# KiCad board yddraig030.kicad_pcb (continued)
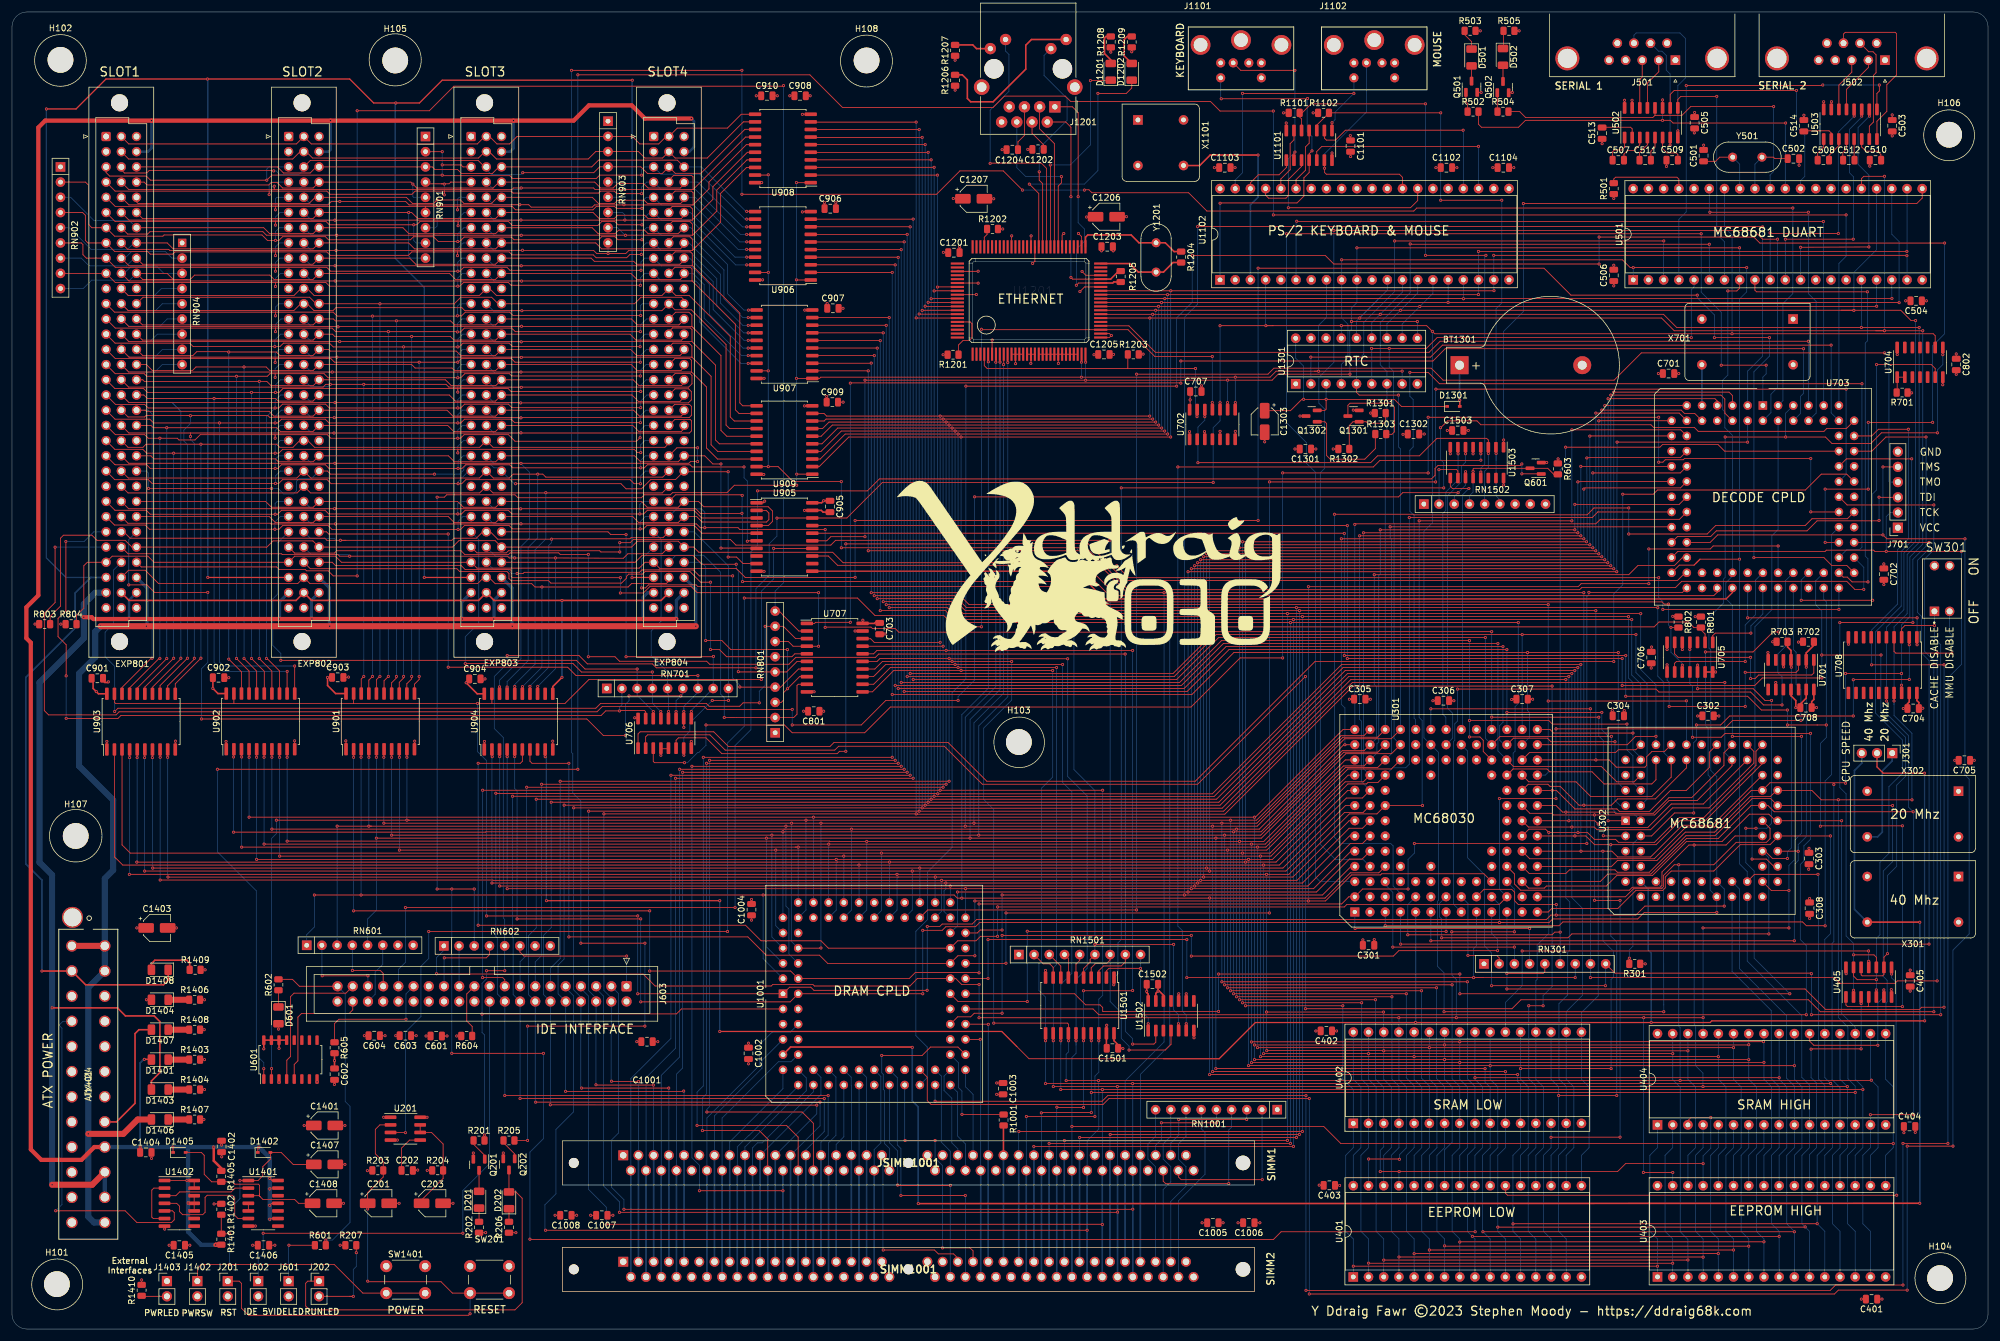
[diagram p0: board, top side]
## Routing (per net, layer and track width the routed paths; a pad name or vN(x,y) marks a point on that pad's centre or on a via; arc(x,y) is an arc through that point) (continued)
Net-(C1408-Pad1): length 30
  Top w0.127: 41.28,22.27 41.45,22.1 ; 41.28,22.27 41.35,22.34 41.35,22.55 ; 41.28,22.27 U1401.3 ; 41.45,22.1 41.35,22.2 41.35,22.55 ; 41.45,22.1 41.9,21.65 47.2,21.65 47.85,21 C1408.1 ; 41.35,22.55 41.35,24 41.15,24.2 37.2,24.2 36.8,24.6 34.96,24.6 R1405.2 33.36,24.59 32.1,25.84 32.1,29.02 31.62,29.5 D1405.2
Net-(D201-Pad1): length 2.3
  Top w0.127: D201.1 R202.2
Net-(D201-Pad2): length 3.5
  Top w0.127: Q201.3 D201.2
Net-(D202-Pad1): length 2.2
  Top w0.127: D202.1 R206.2
Net-(D202-Pad2): length 66.8
  Top w0.127: Q202.3 D202.2 84.15,22.9 85.2,21.85 85.2,4.4 84,3.2 49.7,3.2 49.05,3.85 49.05,7.65 49.4,8 J202.1
Net-(D501-Pad1): length 3.5
  Top w0.127: R503.1 242.59,216.21 243.75,215.05 D501.1
Net-(D501-Pad2): length 2.5
  Top w0.127: Q501.3 D501.2
Net-(D502-Pad1): length 3
  Top w0.127: R505.1 249.09,213.99 D502.1
Net-(D502-Pad2): length 2.7
  Top w0.127: Q502.3 D502.2
Net-(D601-Pad1): length 2.8
  Top w0.127: R602.1 D601.1
Net-(D1201-Pad1): length 36
  Top w0.127: v1(180.1,208.55) 183.45,208.55 D1201.1 ; U1201.60 173.43,194.43 v1(173.4,194.45)
  Bottom w0.127: v1(173.4,194.45) 176.75,194.45 180.1,197.8 v1(180.1,208.55)
Net-(D1201-Pad2): length 5.8
  Top w0.254: D1201.2 183.5,212 182.45,213.05 182.45,215.65 182.71,215.91 R1208.2
Net-(D1202-Pad1): length 43.7
  Top w0.127: v1(169.9,191.25) 171.47,189.68 U1201.63 ; D1202.1 187,207.3 186.1,206.4 v1(181.35,206.4)
  Bottom w0.127: v1(169.9,191.25) 179.1,191.25 181.35,193.5 v1(181.35,206.4)
Net-(D1202-Pad2): length 6
  Top w0.254: R1209.2 186.26,215.91 185.75,215.4 185.75,212.65 D1202.2
Net-(D1401-Pad1): length 3.5
  Top w1: D1401.1 R1403.1
Net-(D1403-Pad1): length 3.5
  Top w1: D1403.1 R1404.1
Net-(D1404-Pad1): length 3.5
  Top w1: D1404.1 R1406.1
Net-(D1406-Pad1): length 3.5
  Top w1: D1406.1 R1407.1
Net-(D1407-Pad1): length 3.5
  Top w1: D1407.1 R1408.1
Net-(D1408-Pad2): length 9
  Top w0.254: R1409.1 29.67,61.12 29.2,61.6 23.85,61.6 23.29,61.04 D1408.2
Net-(J202-Pad2): length 14.9
  Top w0.127: 56.36,5.46 J202.2 ; 56.36,5.46 56.99,5.46 v1(57,5.45) ; 56.36,5.46 56.76,5.46 ; v1(57.5,12.75) R207.2
  Bottom w0.127: v1(57,5.45) 57,9.95 57.5,10.45 v1(57.5,12.75)
Net-(J301-Pad1): length 16.7
  Bottom w0.254: J301.1 314,94.9 312.35,93.25 312.35,83 311.56,82.22 X302.8
Net-(J501-Pad2): length 8.7
  Top w0.127: J501.2 275.02,210.02 273.12,208.12 273.12,204.07
Net-(J501-Pad3): length 8
  Top w0.127: J501.3 272.25,209.15 271.85,208.75 271.85,204.07
Net-(J501-Pad7): length 19.9
  Top w0.127: 276.93,198.93 276.93,197.78 v1(276.9,197.75)
  Bottom w0.127: J501.7 274.98,213.45 275.55,213.45 276.27,212.73 276.27,210.28 276.9,209.65 v1(276.9,197.75)
Net-(J501-Pad8): length 27.7
  Top w0.127: 278.19,198.93 278.19,200.15 v1(278.2,200.15)
  Bottom w0.127: v1(278.2,200.15) 278.2,207.7 279.5,209 279.5,215.55 278.55,216.5 271.25,216.5 270.87,216.12 J501.8
Net-(J502-Pad2): length 9.6
  Top w0.127: J502.2 310.02,210.72 306.37,207.06 306.37,203.82
Net-(J502-Pad3): length 9
  Top w0.127: 305.1,203.82 305.1,207.8 307.25,209.95 J502.3
Net-(J502-Pad7): length 18.1
  Top w0.127: 310.18,198.68 310.18,200.93 310.85,201.6 310.85,209.4 311.3,209.85 311.3,212.85 310.8,213.35 310.07,213.35 J502.7
Net-(J502-Pad8): length 29.6
  Top w0.127: J502.8 305.87,216.31 306.15,216.6 314.5,216.6 314.7,216.4 314.7,209.45 313.1,207.85 313.1,203.4 311.45,201.75 311.45,198.68
Net-(J601-Pad1): length 10.4
  Top w0.127: v1(46.25,14) R601.1
  Bottom w0.127: v1(46.25,14) 46.2,13.95 J601.1
Net-(J602-Pad1): length 82.3
  Top w0.127: v1(75.3,16) v1(41.95,16)
  Bottom w0.127: J602.1 41.12,11.82 41.95,12.65 v1(41.95,16) ; J603.20 79.77,27.62 75.3,23.15 v1(75.3,16)
Net-(J603-Pad1): length 24.2
  Top w0.127: v1(102.65,62.3) 85.5,62.3 84.82,62.98 RN602.6
  Bottom w0.127: J603.1 102.65,57.27 v1(102.65,62.3)
Net-(J603-Pad21): length 9.2
  Top w0.127: J603.21 75.95,55.97 75.95,51.45 76.85,50.55 R604.1
Net-(J603-Pad23): length 6.8
  Bottom w0.127: RN602.2 74.66,57.28 J603.23
Net-(J603-Pad25): length 14
  Top w0.127: RN602.4 79.74,62.54 79.2,62 v1(72.2,62)
  Bottom w0.127: v1(72.2,62) 72.15,61.95 J603.25
Net-(J603-Pad29): length 21.4
  Top w0.127: v1(65.8,51.75) 54.6,51.75 53.86,51.01 R605.1
  Bottom w0.127: v1(65.8,51.75) 65.8,55.98 J603.29
Net-(J603-Pad33): length 11.7
  Top w0.127: v1(56.85,59.9) 61.5,59.9 61.99,59.41 J603.33
  Bottom w0.127: RN601.4 56.84,59.91 v1(56.85,59.9)
Net-(J603-Pad35): length 14.5
  Top w0.127: v1(59.45,59) v1(51.8,59)
  Bottom w0.127: RN601.2 51.76,59.04 v1(51.8,59) ; J603.35 v1(59.45,59)
Net-(J603-Pad36): length 10.4
  Bottom w0.127: J603.36 60.65,55.91 60.65,59.65 61.92,60.92 RN601.6
Net-(J603-Pad37): length 24.5
  Top w0.127: 45.86,42.43 45.9,42.46 45.9,44.9 46.5,45.5 46.5,55.5 47.1,56.1 55.76,56.1 J603.37
Net-(J603-Pad38): length 21
  Top w0.127: 47.14,42.43 47.14,44.19 47.75,44.8 47.75,52.1 48.35,52.7 56.3,52.7 56.91,53.31 J603.38
Net-(J1101-Pad1): length 59.7
  Top w0.127: U1102.27 234.76,188.51 233.55,187.3 v1(213.15,187.3) ; v1(214.25,196.6) 214.09,196.44 U1101.2 ; J1101.1 205.2,210.25 v1(214.25,210.25)
  Bottom w0.127: v1(213.15,187.3) 213.15,195.5 v1(214.25,196.6) v1(214.25,210.25)
Net-(J1101-Pad5): length 62.5
  Top w0.127: v1(201.95,205.5) 216.3,205.5 v1(216.35,205.55) ; v1(201.75,188.05) 201.8,188.1 214.6,188.1 215.75,189.25 215.75,192.3 216.63,193.18 U1101.4 216.63,196.33 v1(217.1,196.8)
  Bottom w0.127: v1(201.75,188.05) 201.74,188.04 U1102.1 ; v1(201.95,205.5) 201.85,205.6 J1101.5 ; v1(217.1,196.8) 217.1,199.2 216.3,200 216.3,205.5 v1(216.35,205.55)
Net-(J1102-Pad1): length 37.8
  Top w0.127: U1102.28 232.22,192.38 231.7,192.9 219.5,192.9 219.2,193.2 v1(219.2,193.9) 219.17,193.93 U1101.6
  Bottom w0.127: v1(219.2,193.9) 219.2,196.3 226.2,203.3 J1102.1
Net-(J1102-Pad5): length 45.3
  Top w0.127: U1101.8 220.44,201.49 v1(220.45,201.5) ; v1(205.5,206.4) v1(224.1,206.4)
  Bottom w0.127: U1102.39 204.28,191.93 205.5,193.15 v1(205.5,206.4) ; v1(220.45,201.5) 220.95,202 220.95,203.25 v1(224.1,206.4) J1102.5
Net-(J1201-PadL1): length 6.1
  Top w0.254: R1207.2 160.45,214.5 161.07,213.88 J1201.L1
Net-(J1201-PadL2): length 45.2
  Top w0.127: v1(163.35,194.7) 163.4,194.75 171.9,194.75 172.78,193.88 U1201.61
  Bottom w0.127: J1201.L2 165.93,213.47 166.5,212.9 166.5,206.75 163.35,203.6 v1(163.35,194.7)
Net-(J1201-PadL3): length 37.4
  Top w0.127: U1201.62 172.12,191.32 171.55,191.9 v1(171.55,193.3)
  Bottom w0.127: v1(171.55,193.3) 171.55,197.25 176.2,201.9 176.2,205.55 172.35,209.4 172.35,212.73 J1201.L3
Net-(J1201-PadL4): length 28.9
  Top w0.254: J1201.L4 170.25,215.4 169.3,214.45 169.3,210.45 163.85,205 160.1,205 159.55,205.55 159.55,208.65 158.7,209.5 R1206.2
Net-(J1201-PadR1): length 41.8
  Top w0.127: J1201.R1 177.09,204.16 178.05,203.2 v1(178.05,189.15) ; v1(177.75,174.35) 178.12,174.72 U1201.45
  Top w0.254: R1205.2 184,174.9 183.82,174.72 U1201.45
  Bottom w0.127: v1(177.75,174.35) 177.75,180.35 179.1,181.7 179.1,183.75 178.05,184.8 v1(178.05,189.15)
Net-(J1201-PadR2): length 38.4
  Top w0.127: v1(176.85,175.65) 177.12,175.38 U1201.46 ; J1201.R2 175.98,201.62 176.85,200.75 v1(176.85,189.15)
  Top w0.254: U1201.46 183.47,175.38 184.82,176.72 R1205.1
  Bottom w0.127: v1(176.85,175.65) v1(176.85,189.15)
Net-(J1201-PadR3): length 24.4
  Top w0.127: U1201.59 174.07,198.03 171.62,200.48 J1201.R3
Net-(J1201-PadR6): length 27.6
  Top w0.127: U1201.58 174.72,190.93 175.25,191.45 v1(175.25,192.5)
  Bottom w0.127: v1(175.25,192.5) 169.3,192.5 167.81,193.99 J1201.R6
Net-(J1402-Pad1): length 53.7
  Top w0.127: 37.9,10.8 31.65,10.8 30.96,10.11 J1402.1 ; 37.9,10.8 53.8,10.8 58.6,6 SW1401.2 SW1401.2 ; 37.9,10.8 v1(36.35,10.8) ; v1(36.35,15.9) 34.96,15.9 R1401.2 R1402.2
  Bottom w0.127: v1(36.35,10.8) v1(36.35,15.9)
Net-(J1403-Pad2): length 4.3
  Top w0.127: J1403.2 21.74,5.46 R1410.1
Net-(Q201-Pad1): length 3.9
  Top w0.127: Q201.1 78.95,29 77.09,30.86 R201.1
Net-(Q202-Pad1): length 3.8
  Top w0.127: Q202.1 83.95,29.25 82.09,31.11 R205.1
Net-(Q501-Pad1): length 3.3
  Top w0.127: Q501.1 242.8,205 243.09,204.71 R502.1
Net-(Q502-Pad1): length 3.2
  Top w0.127: Q502.1 248.05,203.39 R504.1
Net-(Q1301-Pad1): length 11.9
  Top w0.127: R1302.1 223.32,150.93 223.95,151.55 Q1301.1 226.15,151.55 226.4,151.3 229.1,151.3 229.4,151.6 229.4,152.99 R1301.2
Net-(Q1301-Pad3): length 15.7
  Top w0.127: Q1301.3 223.1,154.3 223.45,154.65 230.2,154.65 230.86,153.99 230.86,149.86 230.45,149.45 229.55,149.45 R1303.2
Net-(Q1302-Pad1): length 18.6
  Top w0.127: Q1302.1 219.25,151.55 219.55,151.25 219.55,145.9 220.15,145.3 225.92,145.3 227.68,147.06 227.68,149.5
Net-(R501-Pad2): length 13.4
  Top w0.127: R501.2 267.5,192.1 267.8,192.4 278.05,192.4 278.37,192.08 U501.37
Net-(R701-Pad2): length 3.9
  Top w0.127: R701.2 314.83,156.51 U704.1 U704.2
Net-(R1001-Pad2): length 17.8
  Top w0.127: R1001.2 158.68,35.82 v1(158.65,35.85)
  Bottom w0.127: v1(158.65,35.85) 158.65,39.75 158.05,40.35 158.05,44.49 U1001.36
Net-(R1201-Pad1): length 9.3
  Top w0.127: U1201.96 160.03,168.22 160.3,167.95 160.3,165.55 159.88,165.12 158.82,165.12 158.07,164.38 R1201.1
Net-(R1202-Pad1): length 3.2
  Top w0.127: U1201.77 162.38,182.38 162.84,182.84 R1202.1
Net-(R1204-Pad1): length 18.9
  Top w0.254: U1201.51 179.28,182.38 179.65,182.75 186.9,182.75 188.2,181.45 Y1201.1 192.6,181.45 194.07,179.97 R1204.1
Net-(R1204-Pad2): length 14.7
  Top w0.254: U1201.50 186.68,177.97 188.1,176.55 Y1201.2 192.3,176.55 193.9,178.15 R1204.2
Net-(RN301-Pad2): length 16.6
  Top w0.127: v1(243.15,62.4) 247.95,62.4 248.37,61.99 RN301.2
  Bottom w0.127: U301.H2 243.15,71.08 v1(243.15,62.4)
Net-(RN301-Pad3): length 34.6
  Top w0.127: v1(230.6,63.8) v1(250.9,63.8)
  Bottom w0.127: RN301.3 250.9,63.79 v1(250.9,63.8) ; v1(230.6,63.8) 230.6,72.95 229.33,74.22 U301.C3
Net-(RN301-Pad4): length 37.8
  Top w0.127: v1(224.3,66.9) v1(253.45,66.9)
  Bottom w0.127: v1(253.45,66.9) 253.45,65.46 253.44,65.46 RN301.4 ; v1(224.3,66.9) 224.25,66.95 U301.A1
Net-(RN1501-Pad2): length 5.8
  Top w0.127: U1501.9 173.88,60.42 173.3,61 172.24,61 RN1501.2
Net-(RN1501-Pad3): length 4.6
  Top w0.127: U1501.8 175.15,60.63 RN1501.3
Net-(RN1501-Pad4): length 4.1
  Top w0.127: U1501.7 176.42,61.9 RN1501.4
Net-(RN1501-Pad5): length 4.1
  Top w0.127: RN1501.5 178.31,61.56 177.69,60.94 U1501.6
Net-(RN1501-Pad9): length 20.2
  Top w0.127: v1(189.75,51) U1502.1 ; U1501.2 182.77,59.82 183.2,60.25 188.45,60.25 v1(188.47,60.23)
  Bottom w0.127: RN1501.9 v1(188.47,60.23) 188.47,53.23 189.75,51.95 v1(189.75,51)
Net-(RN1502-Pad2): length 10.5
  Top w0.127: v1(238.3,143.55) 241.25,143.55 241.47,143.33 U1503.10
  Bottom w0.127: RN1502.2 238.32,143.68 v1(238.3,143.55)
Net-(U401-Pad22): length 105.2
  Top w0.127: U405.8 313.89,59.31 v1(313.9,59.3) ; U401.22 249.4,22.7 249.75,22.35 v1(314.75,22.35)
  Bottom w0.127: v1(314.75,22.35) 314.65,22.45 314.65,57.9 313.9,58.65 v1(313.9,59.3)
Net-(U402-Pad22): length 75.3
  Top w0.127: U405.11 v1(310.08,61.43) ; v1(252.2,63.15) v1(310.05,63.15)
  Bottom w0.127: v1(310.05,63.15) 310.05,61.46 v1(310.08,61.43) ; U402.22 249.4,54.55 252.2,57.35 v1(252.2,63.15)
Net-(U403-Pad22): length 40.7
  Top w0.127: v1(308.8,46.8) 300.5,46.8 v1(300.45,46.75) ; U405.3 v1(308.81,54.36)
  Bottom w0.127: U403.22 300.2,29.15 301.35,30.3 301.35,41.1 300.45,42 v1(300.45,46.75) ; v1(308.8,46.8) 308.81,46.81 v1(308.81,54.36)
Net-(U404-Pad22): length 23.8
  Top w0.127: U405.6 312.6,55.49 v1(312.6,56.65) ; v1(311.6,47.4) 300.9,47.4 300.2,48.1 U404.22
  Bottom w0.127: v1(311.6,47.4) 311.6,54.45 312.6,55.45 v1(312.6,56.65)
Net-(U501-Pad4): length 69.4
  Top w0.127: v1(302.4,207.8) 302.3,207.7 v1(279.6,207.7) ; 311.44,203.82 311.44,206.4 311.85,206.8 v1(311.85,207.8)
  Bottom w0.127: U501.4 278.37,185.37 279.6,186.6 v1(279.6,207.7) ; v1(302.4,207.8) v1(311.85,207.8)
Net-(U501-Pad7): length 39.2
  Top w0.127: 278.19,204.07 278.19,205.4 278.7,205.9 v1(284.7,205.9)
  Bottom w0.127: U501.7 285.99,181.61 284.7,182.9 v1(284.7,205.9)
Net-(U501-Pad10): length 41.2
  Top w0.127: 307.63,203.82 307.63,202.62 v1(307.65,202.6) ; v1(293.6,183.1) 293.7,183 v1(305,183)
  Bottom w0.127: U501.10 293.61,183.09 v1(293.6,183.1) ; v1(305,183) 305,199.95 v1(307.65,202.6)
Net-(U501-Pad11): length 41.1
  Top w0.127: v1(308.9,202.6) 308.9,202.6 308.9,203.82 ; v1(307.5,182.05) v1(296.15,182.05)
  Bottom w0.127: v1(296.15,182.05) U501.11 ; v1(307.5,182.05) 307.55,182.1 307.55,192.45 306.85,193.15 306.85,200.4 308.9,202.45 v1(308.9,202.6)
Net-(U501-Pad12): length 41.8
  Top w0.127: v1(310.2,202.6) 310.18,202.62 310.18,203.82 ; v1(310.1,180.75) v1(298.7,180.7)
  Bottom w0.127: U501.12 298.69,180.69 v1(298.7,180.7) ; v1(310.2,202.6) 308.3,200.7 308.3,194.55 310.1,192.75 310.1,180.95 309.9,180.75 v1(310.1,180.75)
Net-(U501-Pad29): length 40.8
  Top w0.127: 276.93,204.07 276.93,206.22 277.6,206.9 v1(298,206.9)
  Bottom w0.127: v1(298,206.9) 298,200.8 299.4,199.4 299.4,192.55 298.69,191.84 U501.29
Net-(U701-Pad1): length 31.5
  Top w0.127: v1(290.35,108.65) 291.1,108.65 291.7,109.25 300.57,109.25 300.91,109.59 U701.1 ; U705.6 277.67,112.78 278.25,112.2 v1(290.35,112.2)
  Bottom w0.127: v1(290.35,112.2) v1(290.35,108.65)
Net-(U701-Pad3): length 37.4
  Top w0.127: v1(289.45,109.7) 297.95,109.7 298.37,110.12 U701.3 ; U705.8 v1(276.4,110.95) ; v1(276.75,104) v1(289.45,104)
  Bottom w0.127: v1(276.75,104) 276.75,108.05 276.4,108.4 v1(276.4,110.95) ; v1(289.45,104) v1(289.45,109.7)
Net-(U703-Pad9): length 6.8
  Bottom w0.127: 282.21,154.29 U703.9
  Bottom w0.254: X701.8 282.21,154.29
Net-(U1101-Pad1): length 9.3
  Top w0.127: U1102.38 206.82,191.47 208.15,192.8 211.6,192.8 212.82,194.02 U1101.1
Net-(U1101-Pad3): length 12.1
  Top w0.127: U1102.37 209.36,189.39 209.85,188.9 212.75,188.9 213.15,189.3 213.15,192 215.36,194.21 U1101.3
Net-(U1101-Pad5): length 35.9
  Top w0.127: v1(244.9,197.55) 218.75,197.55 217.9,196.7 U1101.5
  Bottom w0.127: U1102.23 244.92,197.53 v1(244.9,197.55)
Net-(U1101-Pad9): length 35
  Top w0.127: v1(242.35,200.25) 222.68,200.25 221.03,198.6 219.5,198.6 219.17,198.93 U1101.9
  Bottom w0.127: U1102.24 242.38,200.22 v1(242.35,200.25)
Net-(U1101-Pad11): length 10.6
  Top w0.127: U1101.11 216.63,198.08 216,197.45 216,193.55 214.44,191.99 U1102.35
Net-(U1101-Pad13): length 10.6
  Top w0.127: U1102.36 211.9,192.1 213.45,193.65 213.45,198 214.09,198.64 U1101.13
Net-(U1102-Pad3): length 34.5
  Top w0.254: X1101.5 198.35,194.35 200.1,196.1 v1(208.1,196.1)
  Bottom w0.254: U1102.3 206.82,187.77 208.1,189.05 v1(208.1,196.1)
Net-(U1401-Pad2): length 14.5
  Top w0.127: U1402.3 27.37,22.27 28,22.9 36.6,22.9 37.24,23.54 U1401.2
Net-(U1401-Pad4): length 1.3
  Top w0.127: U1401.5 U1401.4
Net-(U1401-Pad6): length 21.4
  Top w0.127: U1402.4 27.5,21 28,20.5 28,19.6 28.5,19.1 31.85,19.1 32.25,19.5 32.25,22 32.6,22.35 36.75,22.35 37.2,21.9 37.2,19 37.74,18.46 U1401.6
Net-(U1402-Pad2): length 9
  Top w0.127: U1402.6 23.59,18.46 23.35,18.7 23.35,23.2 23.69,23.54 U1402.2
Net-(U1502-Pad6): length 148
  Top w0.127: v1(245.3,145.13) 245.26,145.1 228.44,145.1 227.35,144 v1(194.7,144) ; U1503.4 245.3,147.28 v1(245.3,146.2) ; U1502.6 v1(196.1,51)
  Bottom w0.127: v1(245.3,145.13) v1(245.3,146.2) ; v1(196.1,51) 196.1,52.45 195.45,53.1 195.45,66.55 194.7,67.3 v1(194.7,144)

## Copper pours and planes (outline as drawn; the poured copper is in the pictures)
+5V on In1.Cu: 335,-5 -5,-5 -5,225 335,225
GND on In2.Cu: 340,-10 -10,-10 -10,230 340,230

## Text on the board
F.Silkscreen: External / Interfaces | PWRLED | PWRSW | RST | IDE 5V | IDELED | RUNLED | GND | TMS | TMO | TDI | TCK | VCC | CPU SPEED | CACHE DISABLE | MMU DISABLE | POWER | RESET | 40 Mhz | 20 Mhz | SERIAL 1 | SERIAL 2 | KEYBOARD | MOUSE | SIMM2 | SIMM1 | SLOT1 | SLOT2 | SLOT3 | IDE INTERFACE | SLOT4 | DRAM CPLD | ETHERNET | RTC | PS/2 KEYBOARD & MOUSE | MC68030 | SRAM LOW | EEPROM LOW | Y Ddraig Fawr ©2023 Stephen Moody - https://ddraig68k.com | MC68681 | DECODE CPLD | MC68681 DUART | SRAM HIGH | EEPROM HIGH | ATX POWER | ON | OFF
